# Altium PCB FYDP_rev2.PcbDoc
Units mil, origin at the board's own origin, x right, y up, seen from the top; angles counter-clockwise.
Board outline 1771.65 x 2559.06 mil, 4 copper layers (Top Layer, GND1, GND2, Bottom Layer), stack 61.811 mil thick; 86 components, 55 nets, 251 pads, 211 vias.
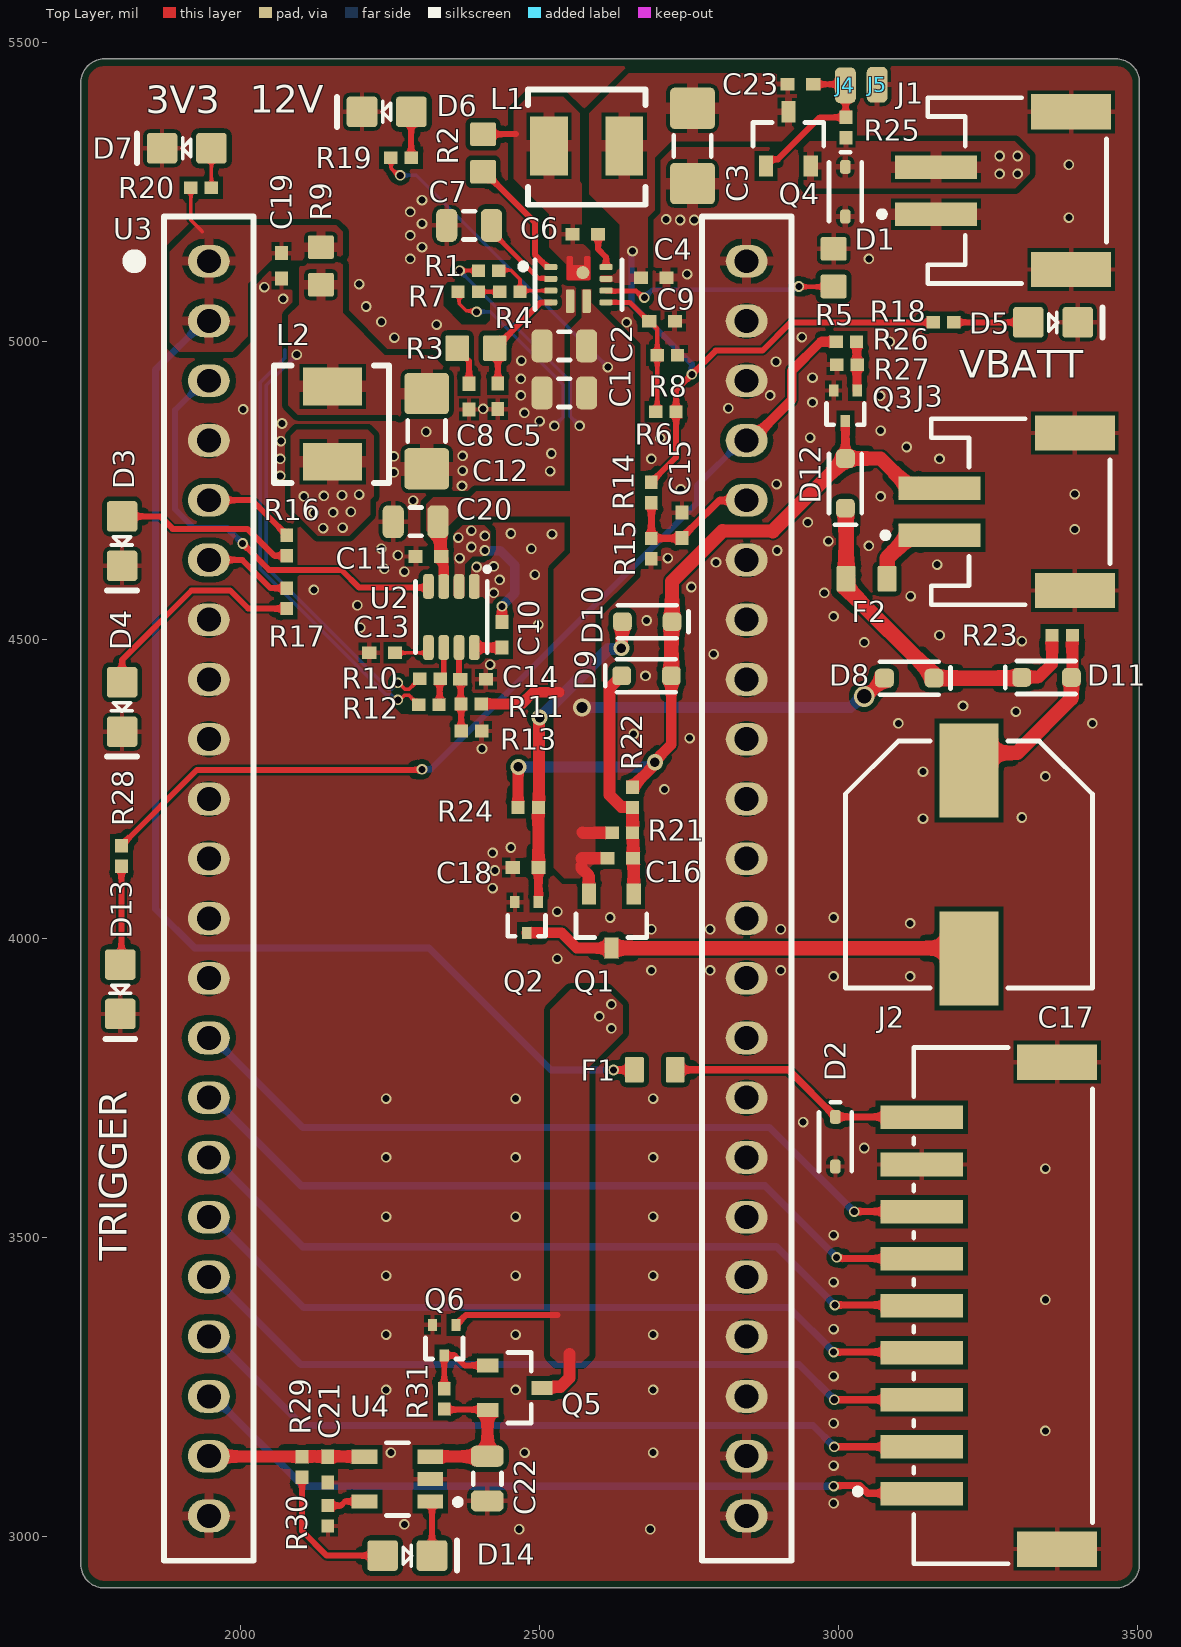
[diagram p0: Top Layer view]
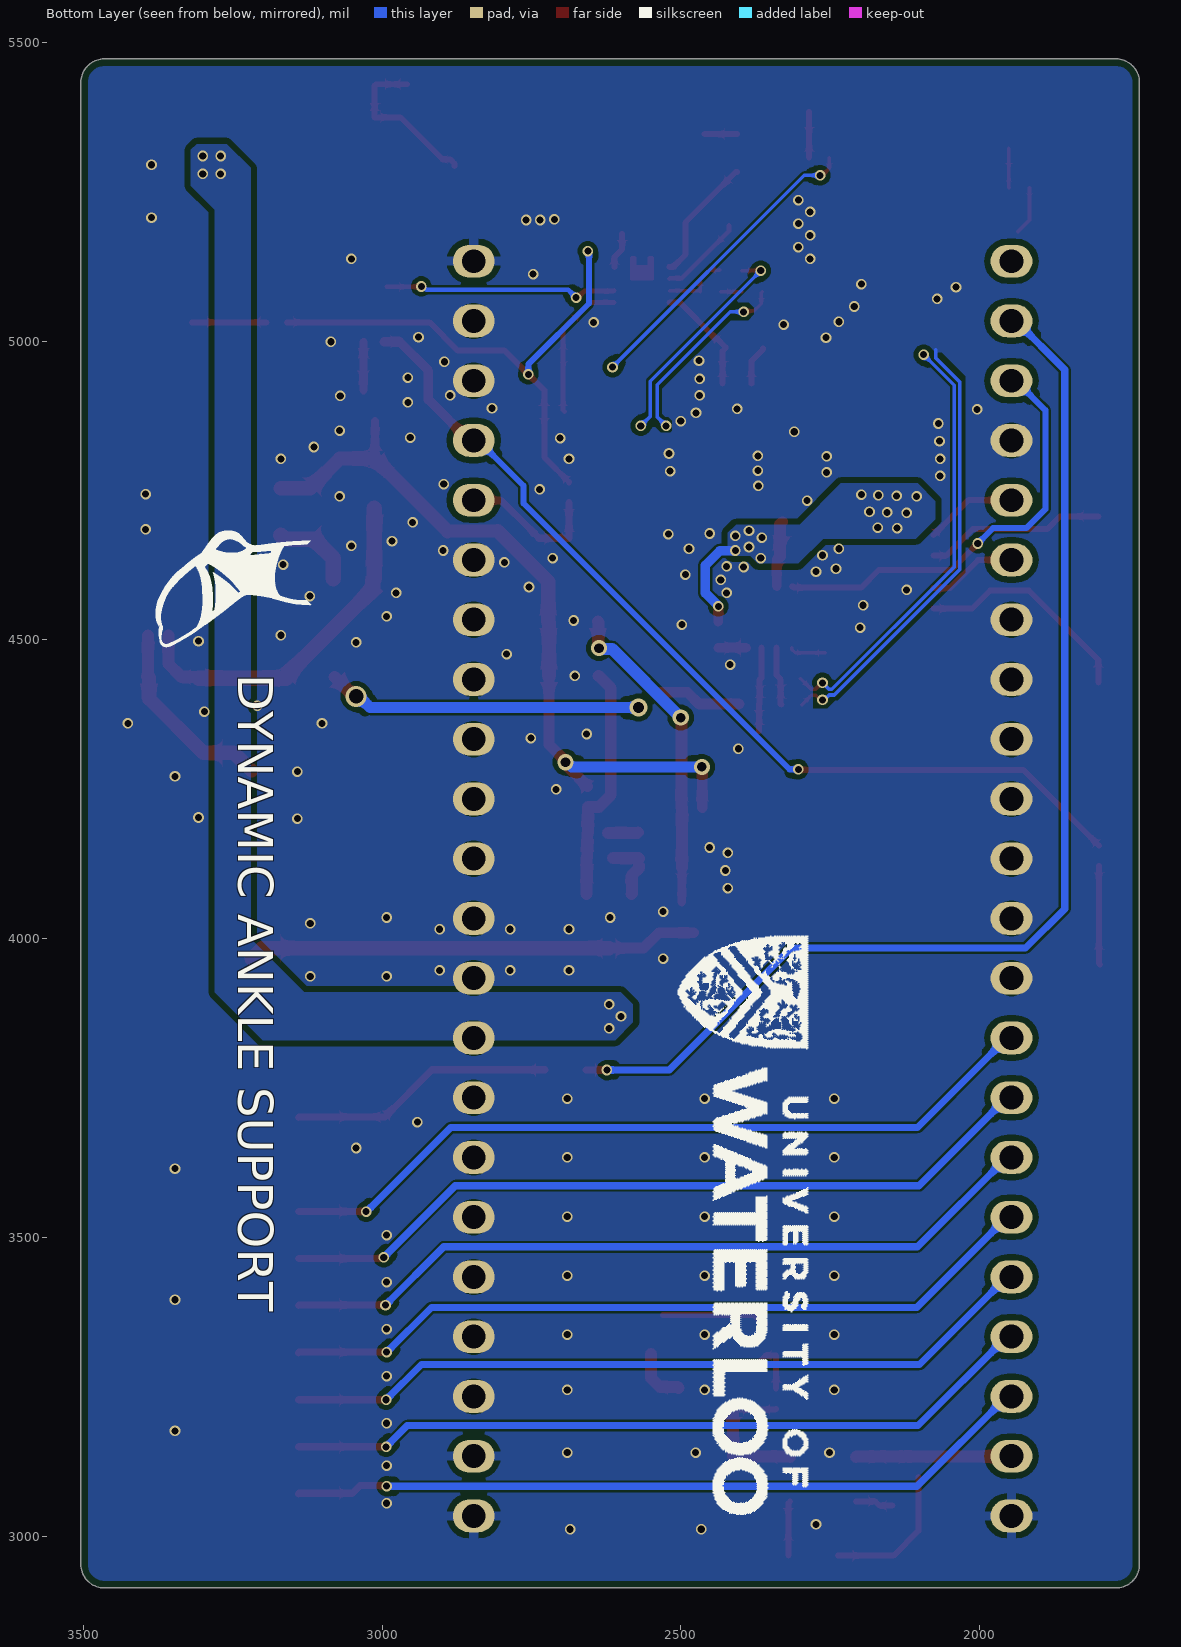
[diagram p1: Bottom Layer view, seen from below]
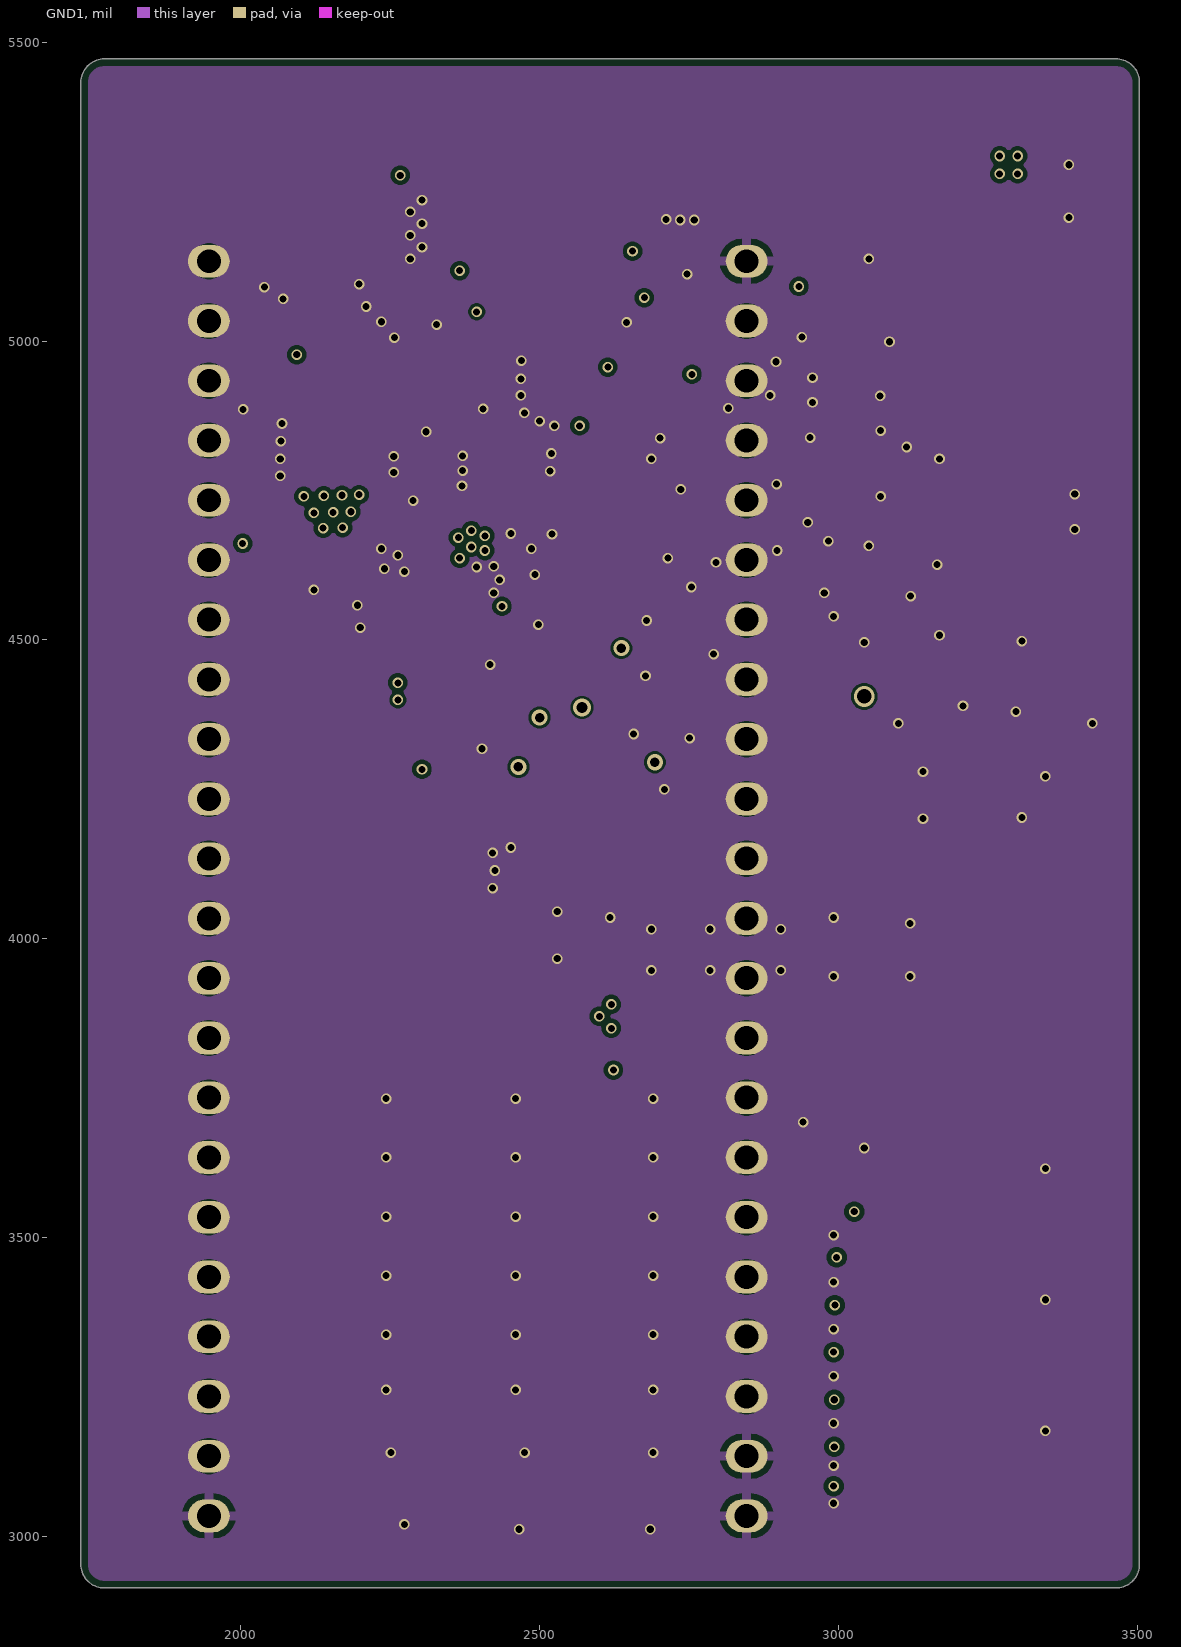
[diagram p2: GND1]
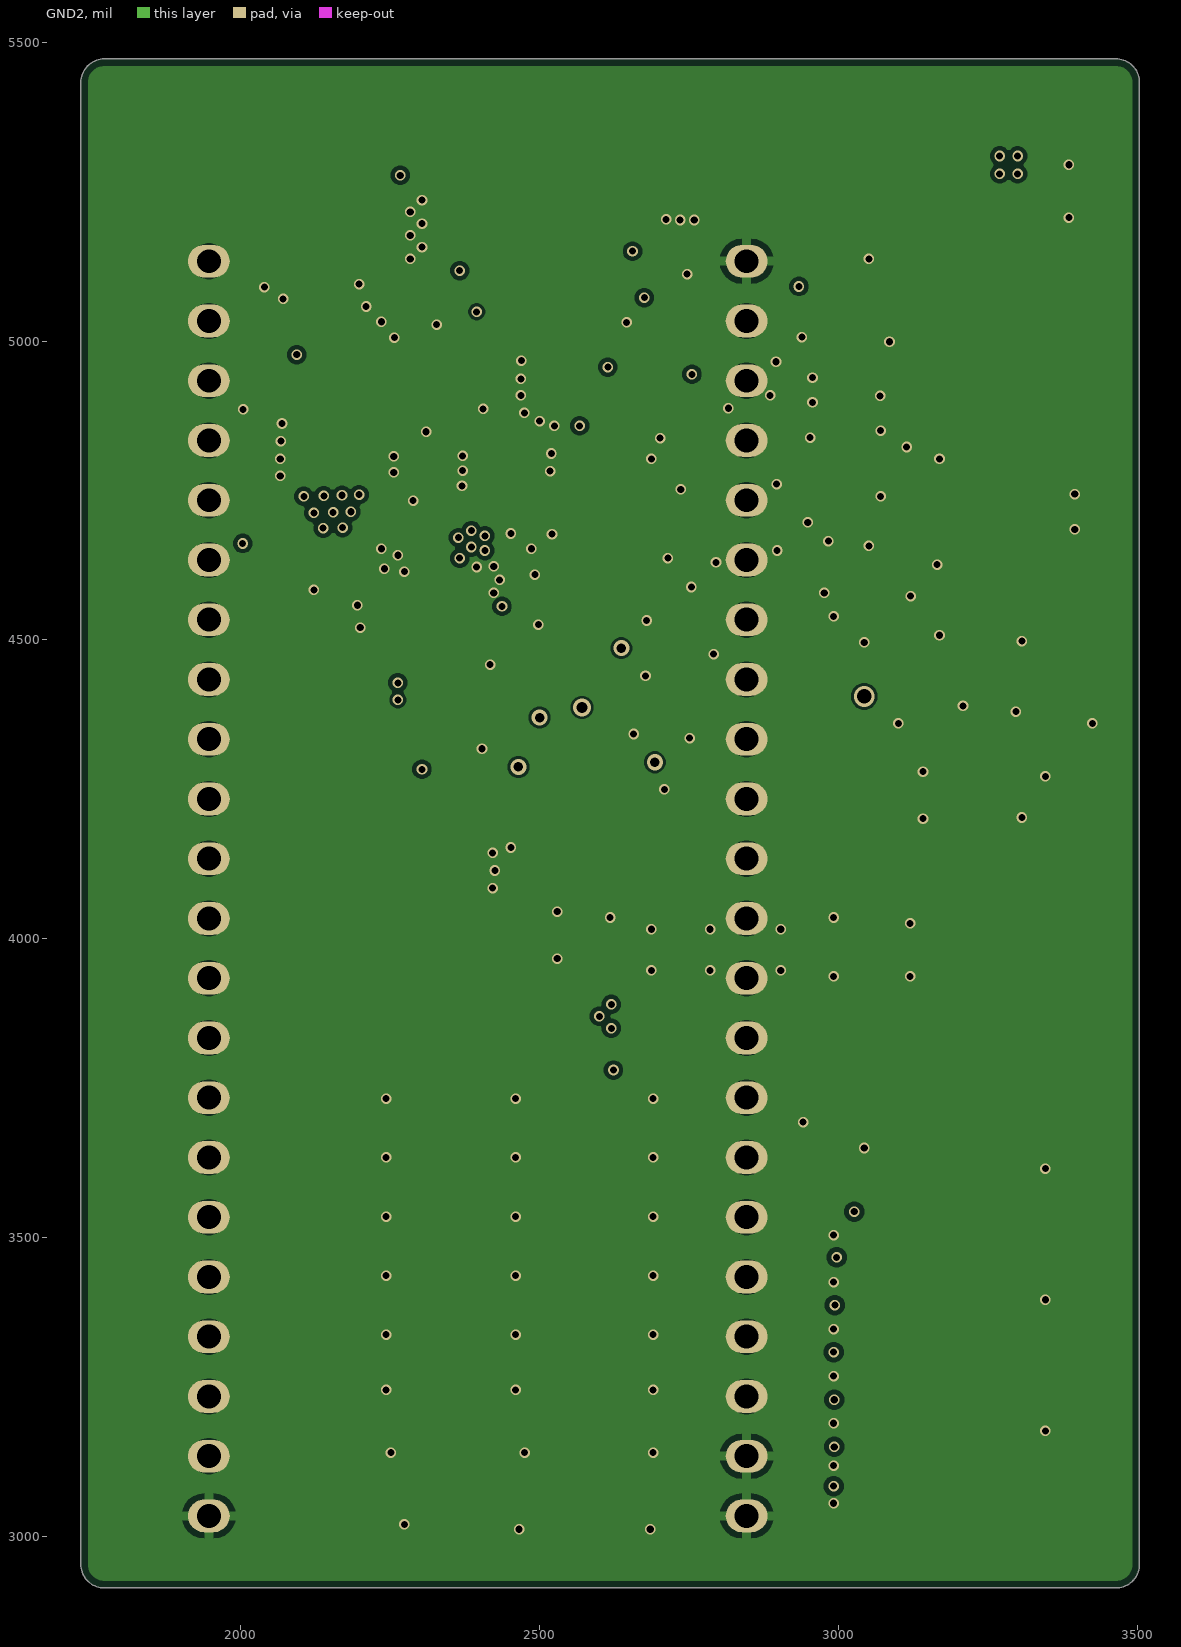
[diagram p3: GND2]
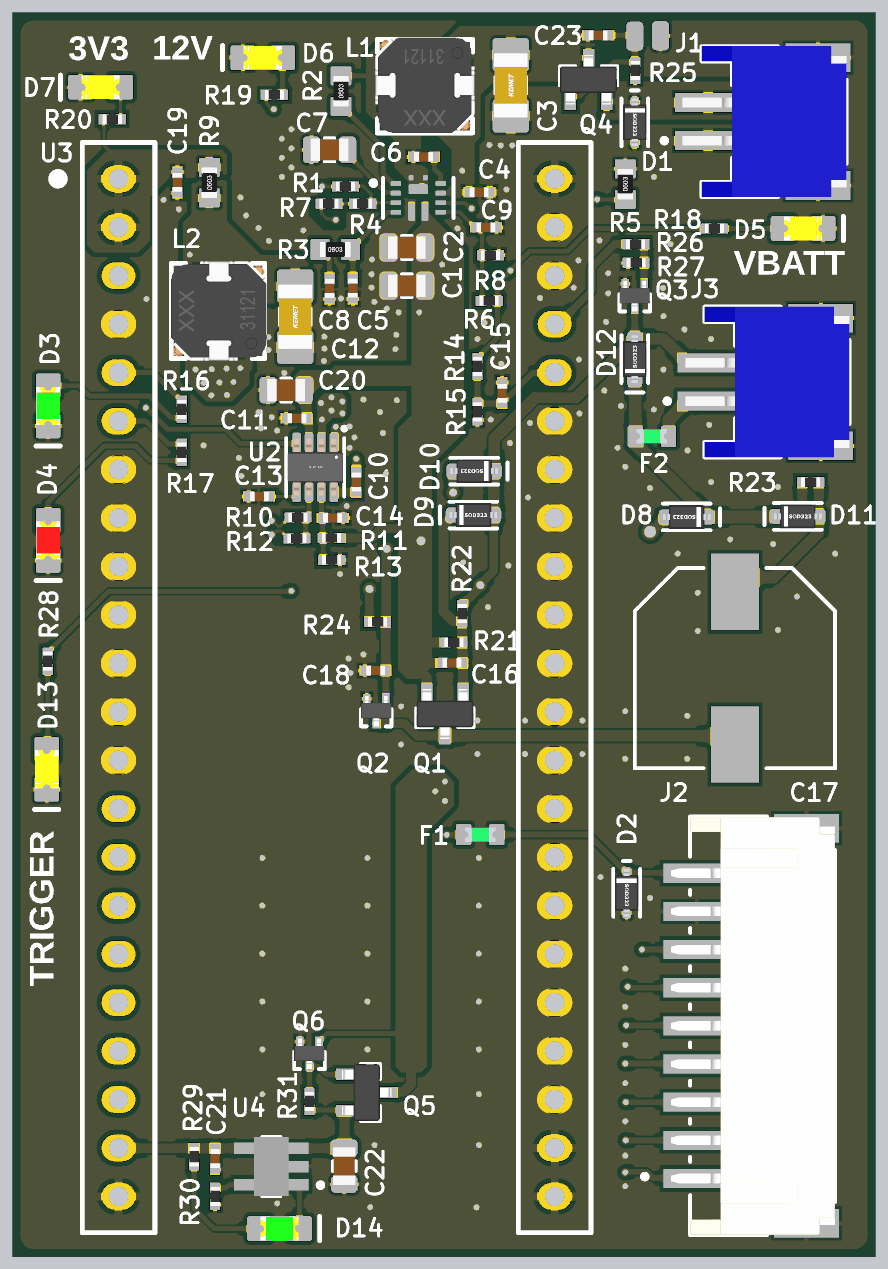
[diagram p4: 3D render of the assembled board from above, using the file's embedded part models]

## Layer stack, top to bottom
Top Solder: solder mask 0.5, Solder Resist, Dk 3.8
Top Layer: signal copper 1.378
Dielectric 1: prepreg 7.874, 7628, Dk 4.6
GND1: signal copper 0.689
Core: core 41.9291, FR-4, Dk 4.5
GND2: signal copper 0.689
Dielectric 2: prepreg 7.874, 7628, Dk 4.6
Bottom Layer: signal copper 1.378
Bottom Solder: solder mask 0.5, Solder Resist, Dk 3.8

## Board outline
1732.28,2952.76 1732.28,5433.07 cw(c1771.65,5433.07) 1771.65,5472.44 3464.57,5472.44 cw(c3464.57,5433.07) 3503.94,5433.07 3503.94,2952.76 cw(c3464.57,2952.76) 3464.57,2913.39 1771.65,2913.39 cw(c1771.65,2952.76)

## Design rules (kind name [scope] priority, off if disabled: settings)
BoardOutlineClearance [All] p1: gap=11.81 ignorepadtopadclearanceinfootprint=FALSE
Clearance [All] p1: gap=10 ignorepadtopadclearanceinfootprint=FALSE except(3.54: Arc-Arc Arc-Track Arc-Fill Arc-Poly Arc-Region Track-Track Track-Fill Track-Poly Track-Region; 5: SMDPad-SMDPad; 7.87: Arc-SMDPad Arc-Via Track-SMDPad Track-Via SMDPad-Via SMDPad-Fill SMDPad-Poly SMDPad-Region Via-Via Via-Fill Via-Poly Via-Region; 12.99: Arc-THPad Track-THPad; 19.68: SMDPad-THPad THPad-THPad)
ComponentClearance [All] p1: gap=4 collisioncheckmode=3 verticalgap=4 showdistances=TRUE donotcheckwithout3dbody=TRUE
DiffPairsRouting [All] p1: maxlimit=4 minlimit=4 mostfreqgap=4 toplayer_minwidth=4 toplayer_maxwidth=71497.94 toplayer_prefwidth=4 midlayer1_minwidth=4 midlayer1_maxwidth=71497.94 midlayer1_prefwidth=4 midlayer2_minwidth=4 midlayer2_maxwidth=71497.94 midlayer2_prefwidth=4 bottomlayer_minwidth=4 bottomlayer_maxwidth=71497.94 bottomlayer_prefwidth=4 maxuncoupledlength=500
Height [All] p1: minheight=0 maxheight=71497.94 prefheight=500
HoleSize [All] p1: absolutevalues=TRUE maxlimit=248.03 minlimit=5.91 maxpercent=80.000 minpercent=20.000
HoleToHoleClearance [All] p1: gap=9.84 allowstackedmicrovias=FALSE
MinimumAnnularRing MinimumAnnularRing_via [IsVia] p1: minimumring=2.91
MinimumAnnularRing [Not IsVia] p2: minimumring=5.12
MinimumSolderMaskSliver [All] p1: minsoldermaskwidth=0
PlaneClearance [All] p1: clearance=4
PolygonConnect [All] p1: thpad.connectstyle=Relief thpad.reliefconductorwidth=16 thpad.reliefentries=4 thpad.polygonreliefangle="90 Angle" thpad.airgapwidth=10 smdpad.connectstyle=Relief smdpad.reliefconductorwidth=8 smdpad.reliefentries=4 smdpad.polygonreliefangle="90 Angle" smdpad.airgapwidth=6 via.connectstyle=Direct via.reliefconductorwidth=10 via.reliefentries=4 via.polygonreliefangle="90 Angle" via.airgapwidth=10
RoutingVias [All] p1: holewidth=11.81 width=17.72 viastyle="Through Hole" minholewidth=11.81 minwidth=17.72 maxholewidth=248.03 maxwidth=257.87
SilkToSilkClearance [All] p1: silktosilkclearance=4.02
SilkToSolderMaskClearance [IsPad] p1: minsilkscreentomaskgap=4.92 clearancetoexposedcopper=TRUE
SolderMaskExpansion [All] p1: expansion=1.5 istentingtop=FALSE
UnRoutedNet [All] p1: checkbadconnections=TRUE
Width [All] p1: maxlimit=118.11 minlimit=3.54 preferedwidth=6
20 further rules are at their usual default settings.

## Classes and differential pairs
component class Power: C1 C2 C3 C4 C5 C6 C7 C8 C9 C10 C11 C12 C13 C14 C20 C21 C22 C23 D1 D14 J1 J4 J5 L1 L2 Q4 Q5 Q6 R1 R2 R3 R4 R5 R6 R7 R8 R9 R10 R11 R12 R13 R25 R29 R30 R31 U2 U4
component class MCU: C15 C19 D2 D3 D4 D5 D6 D7 D13 F1 J2 R14 R15 R16 R17 R18 R19 R20 R28 U3
component class Driver: C16 C17 C18 D8 D9 D10 D11 D12 F2 J3 Q1 Q2 Q3 R21 R22 R23 R24 R26 R27

## Components (designator, comment, footprint, x,y, rotation, side; value= is the part's Value field where it differs from the comment)
C1 "CL21A106KAYNNNE" CAP0805 2503.94,4913.39 r0 top
C2 "CL21A106KAYNNNE" CAP0805 2503.94,4992.13 r0 top
C3 "CL31A476MPHNNNE" CAP1206 2755.91,5326.77 r90 top
C4 "CL05B104KB54PNC" CAP0402 2712.6,5106.3 r180 top
C5 "0402CG470J500NT" CAP0402 2430,4886.22 r90 top
C6 "CL05B104KB54PNC" CAP0402 2598.04,5179.13 r180 top
C7 "CL21A106KAYNNNE" CAP0805 2344.49,5193.9 r0 top
C8 "0402B102K500NT" CAP0402 2381.89,4885.83 r90 top
C9 "CL05B104KB54PNC" CAP0402 2726.38,5033.46 r180 top
C10 "CL05B104KB54PNC" CAP0402 2437.01,4530.12 r270 top
C11 "CL05B104KB54PNC" CAP0402 2292.52,4639.76 r0 top
C12 "CL31A476MPHNNNE" CAP1206 2311.02,4849.41 r90 top
C13 "0402B223K500NT" CAP0402 2214.96,4478.35 r0 top
C14 "CL05B104KB54PNC" CAP0402 2410.04,4434.06 r180 top
C15 "CL05B104KB54PNC" CAP0402 2738.19,4713.19 r270 top
C16 "CL05B104KB54PNC" CAP0402 2656.5,4134.84 r180 top
C17 "UUD1E471MNL1GS" NIC-CAPA2-10X10_V 3218.5,4124.02 r270 top
C18 "CL05B104KB54PNC" CAP0402 2455.11,4119.09 r0 top
C19 "CL05B104KB54PNC" CAP0402 2067.91,5104.72 r90 top
C20 "CL21A106KAYNNNE" CAP0805 2254.92,4697.83 r0 top
C21 "CL05B104KB54PNC" CAP0402 2145.67,3089.96 r90 top
C22 "CL21A106KAYNNNE" CAP0805 2412.4,3059.06 r90 top
C23 "CL05B104KB54PNC" CAP0402 2957.92,5430 r180 top
D1 "SD05-7" SD05-7 3011.81,5291.73 r270 top
D2 "SD05-7" SD05-7 2995.08,3701.77 r270 top
D3 "KT-0805G" LED_0805_GREEN 1801.18,4665.35 r270 top
D4 "NCD0805R1" LED_0805_RED 1801.18,4387.8 r270 top
D5 "KT-0805Y" LED_0805_YELLOW 3359.25,5031.5 r0 top
D6 "KT-0805Y" LED_0805_YELLOW 2244.09,5383.86 r180 top
D7 "KT-0805Y" LED_0805_YELLOW 1909.45,5322.83 r180 top
D8 "RB551V-40" SOD-323 3160.24,4436.02 r180 top
D9 "RB551V-40" SOD-323 2637.4,4439.96 r0 top
D10 "RB551V-40" SOD-323 2721.71,4530.51 r180 top
D11 "RB551V-40" SOD-323 3306.91,4437.23 r0 top
D12 "RB551V-40" SOD-323 3011.81,4720.47 r90 top
D13 "KT-0805Y" LED_0805_YELLOW 1798.23,3915.35 r270 top
D14 "KT-0805G" LED_0805_GREEN 2278.54,2967.52 r0 top
F1 "0467001.NRHF" FUSE_0603 2692.91,3780.51 r180 top
F2 "0467001.NRHF" FUSE_0603 3047.24,4602.36 r0 top
J1 "S2B-PH-SM4-TB(LF)(SN)" "JST- S2B-PH-SM4-TB(LF)(SN)-2_V" 3299.21,5251.97 r90 top
J2 "S9B-PH-SM4-TB(LF)(SN)" FP-S9B-PH-SM4-TB_LF_SN-MFG 3275.59,3385.83 r270 top
J3 "S2B-PH-SM4-TB(LF)(SN)" "JST- S2B-PH-SM4-TB(LF)(SN)-2_V" 3305.12,4714.57 r90 top
J4 "SOLDER_PAD" SOLDER_PAD 3011.81,5428.15 r90 top
J5 "SOLDER_PAD" SOLDER_PAD 3064.96,5429.13 r90 top
L1 "IHLP1616BZER3R3M5A" TMPA0503S-3R3MN-D 2641.73,5326.77 r180 top
L2 "IHLP1616BZER3R3M5A" TMPA0503S-3R3MN-D 2153.54,4798.23 r90 top
Q1 "SI3407-TP" SOT23-3 2620.08,4029.53 r270 top
Q2 "GSFAT0600" SOT-523 2478.35,4035.43 r180 top
Q3 "DMN62D0UT-7" SOT-523 3011.81,4891.73 r180 top
Q4 "SI3407-TP" SOT23-3 2916.34,5338.58 r90 top
Q5 "SI3407-TP" SOT23-3 2458.5,3248.31 r0 top
Q6 "GSFAT0600" SOT-523 2340.39,3328.03 r180 top
R1 "0402WGF1004TCE" RES0402 2431.72,5118.11 r180 top
R2 "0603WAF3303T5E" RES0603 2405.5,5283.47 r90 top
R3 "0603WAF2402T5E" RES0603 2362.2,4988.19 r0 top
R4 "0402WGF1003TCE" RES0402 2433.07,5082.68 r0 top
R5 "0603WAF3303T5E" RES0603 2992.13,5091.54 r90 top
R6 "0402WGF1502TCE" RES0402 2694.27,4881.89 r0 top
R7 "0402WGF1002TCE" RES0402 2363.56,5082.68 r0 top
R8 "0402WGF1002TCE" RES0402 2730.93,4976.38 r180 top
R9 "0603WAF0000T5E" RES0603 2133.85,5094.49 r90 top
R10 "0402WGF3302TCE" RES0402 2333.66,4435.04 r180 top
R11 "0402WGF5102TCE" RES0402 2368.48,4392.72 r0 top
R12 "0402WGF1002TCE" RES0402 2297.61,4391.73 r0 top
R13 "0402WGF1002TCE" RES0402 2403.17,4347.44 r180 top
R14 "0402WGF1002TCE" RES0402 2687.01,4763.78 r270 top
R15 "0402WGF3302TCE" RES0402 2687.01,4669.91 r270 top
R16 "0402WGF3300TCE" RES0402 2076.77,4641.12 r90 top
R17 "0402WGF5100TCE" RES0402 2076.77,4552.53 r90 top
R18 "0402WGF5100TCE" RES0402 3192.91,5031.5 r180 top
R19 "0402WGF2201TCE" RES0402 2285.06,5307.09 r180 top
R20 "0402WGF3300TCE" RES0402 1950.42,5256.89 r180 top
R21 "0402WGF5102TCE" RES0402 2655.51,4177.17 r180 top
R22 "0402WGF5100TCE" RES0402 2655.51,4219.49 r90 top
R23 "0402WGF1002TCE" RES0402 3391.73,4507.87 r180 top
R24 "0402WGF5100TCE" RES0402 2498.03,4219.49 r180 top
R25 "0402WGF1002TCE" RES0402 3012.8,5374.63 r270 top
R26 "0402WGF1000TCE" RES0402 2996.43,4999.02 r0 top
R27 "0402WGF1002TCE" RES0402 2997.42,4960.63 r0 top
R28 "0402WGF3300TCE" RES0402 1800.2,4121.43 r90 top
R29 "0402WGF5100TCE" RES0402 2102.36,3098.79 r90 top
R30 "0402WGF2201TCE" RES0402 2145.67,3017.1 r90 top
R31 "0402WGF1002TCE" RES0402 2340.39,3246.95 r270 top
U2 "TPS563210ADDFR" TPS563210ADDFR 2352.36,4538.39 r270 top
U3 "ESP32-S3-WROOM-2-N32R8V" EPS32-S3-DevKitC 1946.46,5133.86 r0 top locked
U4 "MCP73832T-2ACI/OT" FP-C04-091-OT-MFG 2261.81,3095.47 r180 top

## Footprints (in the part's own frame and the unit in brackets; to place one, negate y for a bottom-side part, rotate by r counter-clockwise, add the part's x,y. Pads: shape width x height; smd on the part's side, far side on the other; paste and mask are expansions set on the pad)
CAP0402 [mm]
  rect 0.6x0.54 smd paste-100 mask+0.051: 1(0,0) 2(1.09,0)
  body extent 0.06,-0.25 1.06,0.25, height 0.5
CAP0805 [mm]
  rrect50% 0.9x1.4 smd: 1(0,0) 2(1.9,0)
  silkscreen extent 0.7,-0.6 1.2,0.6, body extent -0.05,-0.6 1.95,0.6, height 1.2
CAP1206 [mm] "Chip Capacitor, Body 3.2x1.6mm, Height 0.55mm, IPC Medium Density"
  rrect20% 1.75x1.9 smd: 1(-1.6,0) 2(1.6,0)
  silkscreen extent -0.45,-0.8 0.45,0.8, body extent -1.7,-0.9 1.7,0.9, height 0.88
EPS32-S3-DevKitC [mil]
  oval 70x55 hole 40: 1(0,0) 2(0,-100) 3(0,-200) 4(0,-300) 5(0,-400) 6(0,-500) 7(0,-600) 8(0,-700) 9(0,-800) 10(0,-900) 11(0,-1000) 12(0,-1100) 13(0,-1200) 14(0,-1300) 15(0,-1400) 16(0,-1500) 17(0,-1600) 18(0,-1700) 19(0,-1800) 20(0,-1900) 21(0,-2000) 22(0,-2100) 23(900,0) 24(900,-100) 25(900,-200) 26(900,-300) 27(900,-400) 28(900,-500) 29(900,-600) 30(900,-700) 31(900,-800) 32(900,-900) 33(900,-1000) 34(900,-1100) 35(900,-1200) 36(900,-1300) 37(900,-1400) 38(900,-1500) 39(900,-1600) 40(900,-1700) 41(900,-1800) 42(900,-1900) 43(900,-2000) 44(900,-2100)
  silkscreen extent -135,-2175 975,75
FP-C04-091-OT-MFG [mm]
  rect 1.1x0.6 smd paste+0 mask+0: 1(-1.4,0.95) 2(-1.4,0) 3(-1.4,-0.95) 4(1.4,-0.95) 5(1.4,0.95)
  silkscreen extent -2.7,-1.55 0.48,1.55, body extent -2.05,-1.9 2.05,1.9, height 0.25
FP-S9B-PH-SM4-TB_LF_SN-MFG [mm]
  rect 1x3.5 smd paste+0 mask+0: 1(8,-3.45) 2(6,-3.45) 3(4,-3.45) 4(2,-3.45) 5(0,-3.45) 6(-2,-3.45) 7(-4,-3.45) 8(-6,-3.45) 9(-8,-3.45)
  rect 1.5x3.4 smd paste+0 mask+0: 10(-10.35,2.3) 11(10.35,2.3)
  silkscreen extent -10.97,-6.3 10.97,3.8, body extent -11.2,-5.3 11.2,4.1, height 0.25
FUSE_0603 [mm] "Chip Fuse, Body 1.6x0.81mm"
  rrect15% 0.8x1.09 smd: 1(-0.87,0) 2(0.87,0)
  body extent -0.8,-0.38 0.8,0.38, height 0.75
"JST- S2B-PH-SM4-TB(LF)(SN)-2_V" [mm] "SMD, 2-Leads, Body 7.9x7.6mm, Pitch 2mm"
  rect 1x3.5 smd: 1(-1,3.45) 2(1,3.45)
  rect 1.5x3.4 smd: MP1(-3.35,-2.3) MP2(3.35,-2.3)
  silkscreen extent -3.95,-3.8 3.95,5.87, body extent -3.95,-3.8 3.95,4.8, height 5.6
LED_0805_GREEN [mm] "SMD, 2-Leads, Body 2x1.25mm"
  rrect20% 1.3x1.3 smd: 1(1.05,0) 2(-1.05,0)
  silkscreen extent -0.18,-0.63 2.11,0.64, body extent -1,-0.62 1,0.63, height 1.12
LED_0805_RED [mm] "SMD, 2-Leads, Body 2x1.25mm"
  rrect20% 1.3x1.3 smd: 1(1.05,0) 2(-1.05,0)
  silkscreen extent -0.18,-0.63 2.11,0.64, body extent -1,-0.62 1,0.63, height 1.12
LED_0805_YELLOW [mm] "SMD, 2-Leads, Body 2x1.25mm"
  rrect20% 1.3x1.3 smd: 1(1.05,0) 2(-1.05,0)
  silkscreen extent -0.18,-0.64 2.11,0.64, body extent -1,-0.62 1,0.63, height 1.12
NIC-CAPA2-10X10_V [mm] "Aluminum Electrolytic Capacitor, Diameter 10mm, Height 10.8mm, Pitch 8mm"
  rect 4x2.5 smd: 1(-4,0) 2(4,0)
  silkscreen extent -5.25,-5.25 5.25,5.25, body extent -4.96,-4.99 5,4.99, height 10.8
RES0402 [mm]
  rect 0.566x0.54 smd paste-100 mask+0.051: 1(0,0) 2(0.866,0)
  body extent -0.07,-0.25 0.93,0.25, height 0.3
RES0603 [mm]
  rrect15% 1x1.1 smd: 1(0,0) 2(1.6,0)
  body extent 0,-0.4 1.6,0.4, height 0.46
SD05-7 [mm] "SOD-323"
  rrect50% 0.59x0.45 smd: 1(0,0) 2(2.11,0)
  silkscreen extent -0.63,-0.7 2.3,0.7, body extent -0.2,-0.63 2.3,0.63, height 1
SOD-323 [mm] "SOD-323"
  rrect50% 0.8x0.8 smd: 1(0,0) 2(2.11,0)
  silkscreen extent -0.7,-0.7 2.3,0.7, body extent -0.2,-0.63 2.3,0.63, height 1
SOLDER_PAD [mil]
  rrect50% 60x35 smd: 1(0,0)
SOT23-3 [mm] "SOT23, 3-Leads, Body 2.90x2.30mm, Pitch 0.95mm, IPC Medium Density"
  rect 0.9x0.6 smd: 1(-1.15,0.95) 2(-1.15,-0.95) 3(1.15,0)
  silkscreen extent -0.3,-1.5 0.7,1.5, body extent -1.3,-1.5 1.3,1.5, height 1.1
SOT-523 [mm]
  rect 0.4x0.51 smd: 1(-0.5,-0.65) 2(0.5,-0.65) 3(0,0.65)
  silkscreen extent -0.8,-0.1 0.8,0.8, body extent -0.8,-0.83 0.8,0.8, height 0.81
TMPA0503S-3R3MN-D [mm]
  rect 1.6x2.5 smd: 1(0,0) 2(3.2,0)
  silkscreen extent -0.9,-2.4 4.1,2.5, body extent -1,-2.5 4.2,2.5, height 3
TPS563210ADDFR [mm] "SOT-23-8"
  rrect50% 1.05x0.45 smd: 1(-1.3,0.975) 2(-1.3,0.325) 3(-1.3,-0.325) 4(-1.3,-0.975) 5(1.3,-0.975) 6(1.3,-0.325) 7(1.3,0.325) 8(1.3,0.975)
  silkscreen extent -2.11,-1.52 1.52,1.6, body extent -1.48,-1.45 1.48,1.45, height 1.1
